# Altium PCB pay-ssm-v4-2.PcbDoc (part 3 of 4) (continued)
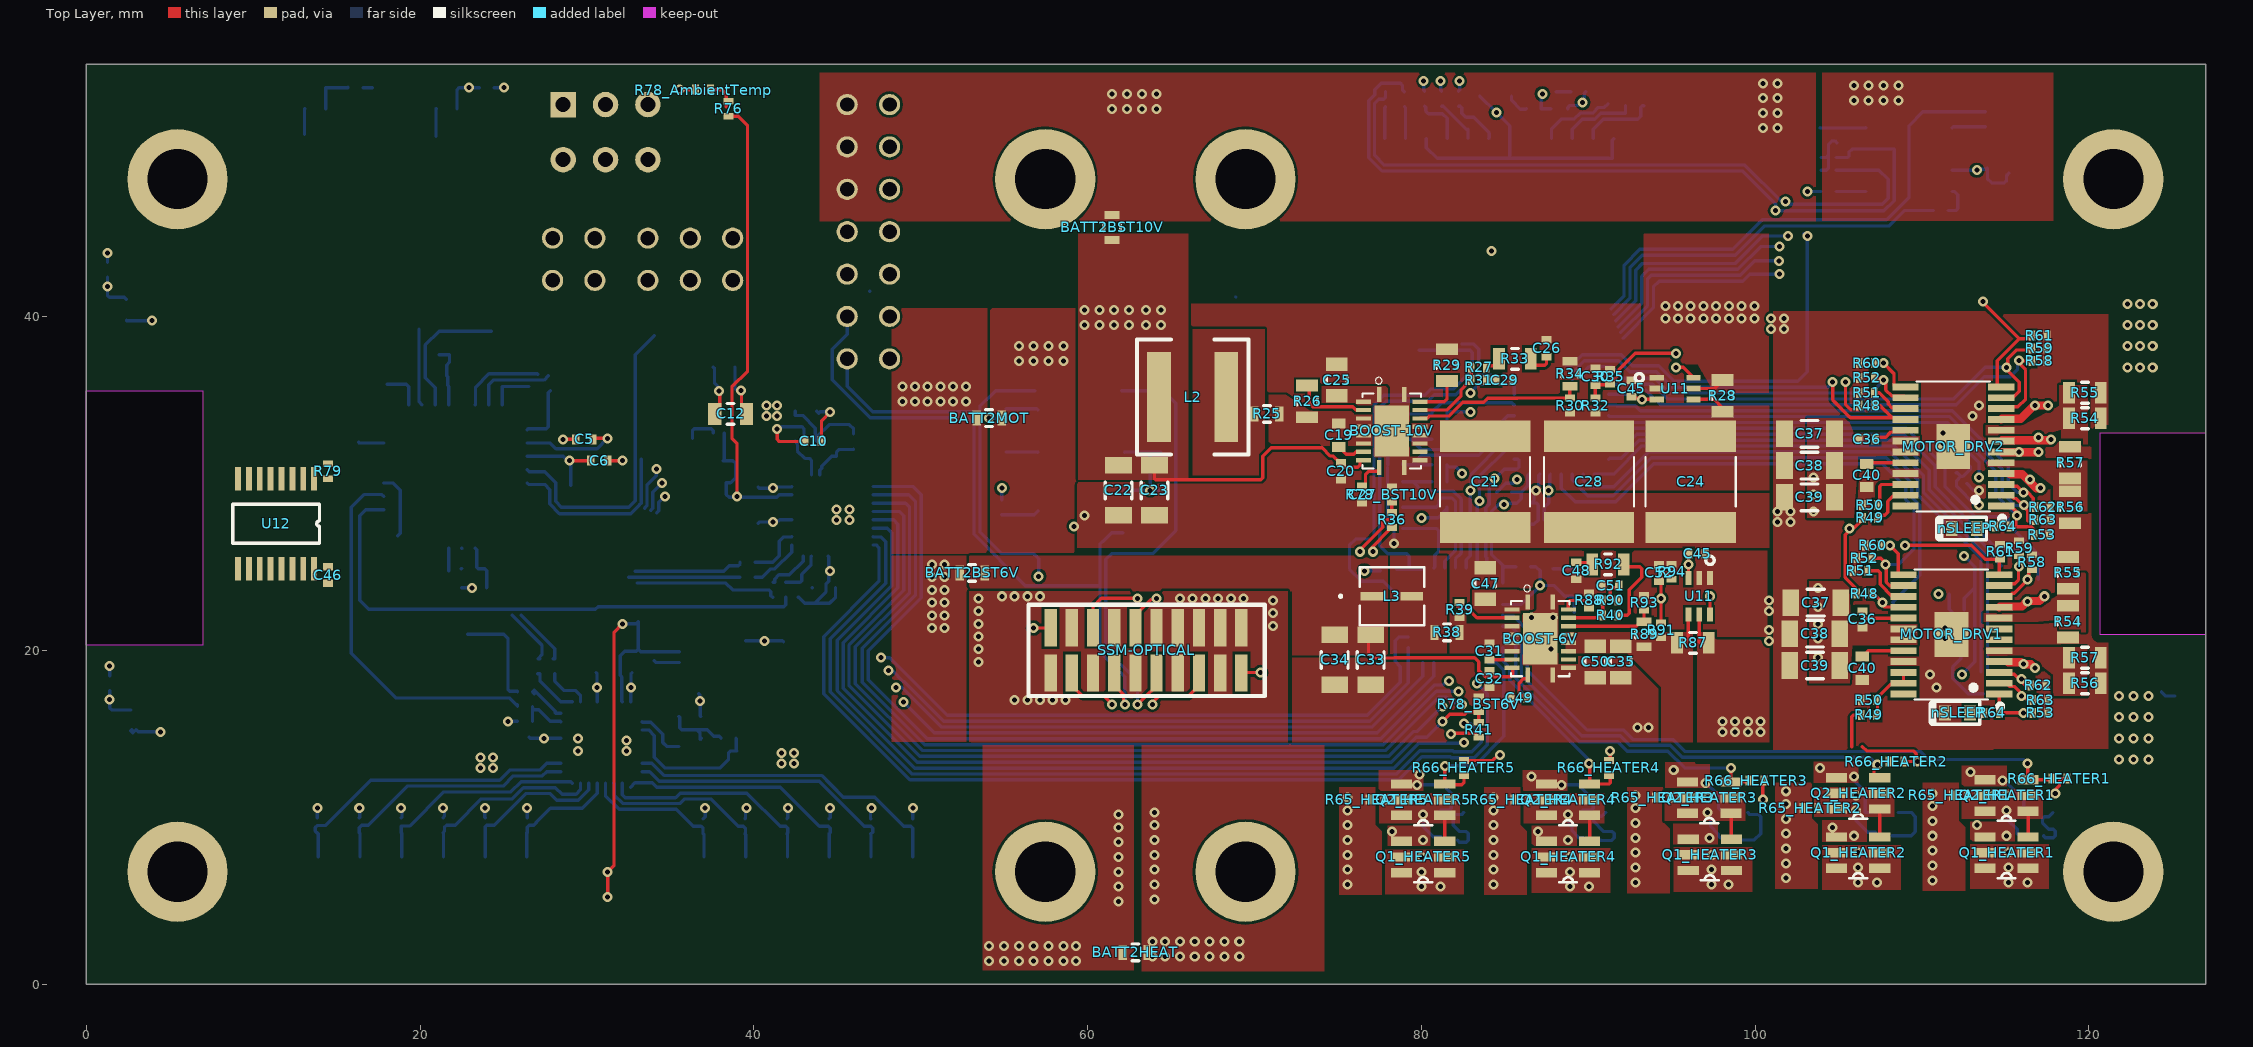
[diagram p0: Top Layer view]
## Nets (pads, with @x,y where several pads share a name; then routed paths per layer and width w, separated by ;. In a path a pad name is that pad's centre, name@x,y a point inside that pad or via, vN(x,y) a via of type N, cw(c..) or ccw(c..) an arc to the next point about the centre after c; other vN are vias at no path point) (continued)
  VCC w0.2: 81.153,52.07 v1(81.153,54.102)
  Bottom Layer w0.2: MCU.12@26.416,30.823 26.539,30.7 27.466,30.7 28.123,30.043 28.123,28.923 28.471,28.575 32.512,28.575 32.893,28.956 32.893,37.719 34.036,38.862 ; 68.883,41.172 68.887,41.177 ; v1(81.153,54.102) 81.153,53.562 R5.2@81.209,53.507
SCK_A/RX_R: EPS-PAY.5 R5.1 | length 2.8
  Bottom Layer w0.2: R5.1@81.209,52.607 81.309,52.607 82.745,51.171 82.797,51.223 EPS-PAY.5@82.797,50.673
SCLK_R_ADC1: ADC1.24 R23.2@41.148,24.072 | length 2.7
  Bottom Layer w0.2: R23.2@41.148,24.072 41.248,24.072 41.248,24.267 41.505,24.524 42.136,24.524 42.954,25.342 ADC1.24@42.954,25.632
SCLK_R_ADC2: ADC2.24 R23.2@26.739,17.526 | length 2.6
  Bottom Layer w0.2: R23.2@26.739,17.526 26.739,17.499 26.839,17.399 26.839,17.611 28.106,16.344 28.106,16.258 28.136,16.228 ADC2.24@28.426,16.228
SS: BOOST-10V.10 C27.2 | length 2
  Top Layer w0.2: C27.2@76.454,29.837 76.529,29.837 76.654,29.962 76.654,30.553 76.835,30.734 77.452,30.734 77.482,30.764 BOOST-10V.10@77.482,30.962
SS2: BOOST-6V.10 C49.2 | length 2.1
  Top Layer w0.2: C49.2@86.352,17.145 86.352,17.147 86.227,17.272 85.969,17.272 85.852,17.389 85.852,18.034 86.106,18.288 86.342,18.288 86.372,18.318 BOOST-6V.10@86.372,18.516
TRIM/NR_ADC1: C13.2@36.322,32.701 U4.5@37.577,33.02 | length 1.9
  Bottom Layer w0.2: C13.2@36.322,32.701 36.322,33.157 36.439,33.274 37.452,33.274 37.577,33.149 U4.5@37.577,33.02
TRIM/NR_ADC2: C13.2@34.036,19.369 U4.5@35.547,19.274 | length 1.6
  Bottom Layer w0.2: C13.2@34.036,19.369 34.131,19.274 U4.5@35.547,19.274
TXCAN: MCU.6 R14.2 | length 36
  Bottom Layer w0.2: MCU.6@23.316,34.723 23.327,34.734 23.327,35.773 24.13,36.576 27.022,36.576 27.051,36.547 ; 91.37,40.472 92.145,41.247 92.145,43.082 93.088,44.025 98.654,44.025 100.421,45.792 107.875,45.792 109.22,47.136 109.22,51.435 110.051,52.266 R14.2@113.792,52.266
TXD_R: CAN.1 R14.1 | length 2
  Bottom Layer w0.2: CAN.1@111.82,51.308 111.878,51.366 R14.1@113.792,51.366
VCC2V5_ADC1: ADC1.31 C14.2@38.166,31.369 C18.2@38.354,30.033 R36.2 R41.2 R42.2 R43.2 R76.2 U4.6@38.227,33.02 | length 152.4
  Top Layer w0.2: R76.2@38.481,52.001 39.058,52.001 39.622,51.437 39.622,36.721 38.691,35.789 38.691,32.703 38.989,32.404 v1(38.989,29.21) ; v1@76.933,26.064 R36.2@78.232,27.363 ; v1(81.788,14.986) 81.832,15.03 83.199,15.03 R41.2@83.439,14.79
  VCC w0.2: v1(38.989,29.21) 39.033,29.166 42.081,29.166 43.986,27.261 45.949,27.261 46.374,27.686 49.784,27.686 52.451,25.019 53.798,25.019 54.092,24.724 54.092,17.135 55.016,16.212 80.401,16.212 80.518,16.094 80.518,15.729 81.188,15.059 81.715,15.059 v1(81.788,14.986) 81.832,15.03 81.832,16.51 ; v1(77.089,25.908) 77.089,25.654 81.109,21.634 81.109,17.59 81.832,16.866 81.832,16.51 ; v1(112.395,18.542) 112.395,18.288 111.125,17.018 84.855,17.018 83.811,15.973 82.979,15.973 82.779,16.173 82.169,16.173 81.832,16.51 ; v1(112.522,25.654) 112.522,29.718 113.157,30.353 v1(113.411,30.353)
  Bottom Layer w0.2: U4.6@38.227,33.02 38.227,31.43 C14.2@38.166,31.369 38.739,31.369 38.904,31.204 38.904,30.333 38.604,30.033 C18.2@38.354,30.033 38.354,29.337 38.525,29.166 41.377,29.166 41.528,29.317 ADC1.31@42.269,29.317 ; R43.2@111.95,31.941 112.077,31.941 112.242,31.776 112.417,31.776 112.552,31.911 112.761,31.911 113.411,31.261 v1(113.411,30.353) ; v1(112.395,18.542) 113.157,19.304 113.157,23.749 ; R42.2@112.522,22.421 112.522,23.114 113.157,23.749 ; v1(112.522,25.654) 113.157,25.019 113.157,23.749
VCC2V5_ADC2: ADC2.31 C14.2@33.081,21.717 C18.2@33.081,20.066 THERMISTOR1-6.1 THERMISTOR1-6.3 THERMISTOR1-6.5 THERMISTOR1-6.7 THERMISTOR1-6.9 THERMISTOR1-6.11 THERMISTORS7-12.1 THERMISTORS7-12.3 THERMISTORS7-12.5 THERMISTORS7-12.7 THERMISTORS7-12.9 THERMISTORS7-12.11 U4.6@35.547,19.924 | length 26
  Top Layer w0.2: v1(31.242,5.207) v1(31.242,6.731) 31.623,7.112 31.623,21.082 v1(32.131,21.59)
  Bottom Layer w0.2: ADC2.31@32.111,16.913 32.087,16.937 32.087,18.404 31.993,18.498 31.993,19.674 32.258,19.939 32.954,19.939 C18.2@33.081,20.066 ; v1(32.131,21.59) 32.954,21.59 C14.2@33.081,21.717 C18.2@33.081,20.066 ; U4.6@35.547,19.924 33.223,19.924 C18.2@33.081,20.066
VCC3V3: ADC1.21 ADC1.28 ADC1.32 ADC2.21 ADC2.28 ADC2.32 BOT_SWT1.1 BOT_SWT2.1 C1.2 C2.2 C7.2 C8.2 C10.2 C12.2 C15.2 C16.2 C17.2 C41.2 C41_Port_Expander1.2 C41_Port_Expander2.2 C42.1 C43.2 C45.2 C46.2 C53.2 C54.2 CAN.3 HUMIDITY.8 J14.2 L1.1 L4.2 MCU.4 PEX1.5 PEX2.5 PRESSURE.5 PROG.2 R11.2 R24.2 R48.2 R49.2 R66_HEATER1.2 R66_HEATER2.2 R66_HEATER3.2 R66_HEATER4.2 R66_HEATER5.2 R67.2 R68.2 R69.2 R70.2 R71.2 R75.2 R77.2 SSM-OPTICAL.1 SSM-OPTICAL.20 TOP_SWT1.1 TOP_SWT2.1 U3.5 U4.2 U11.3 U12.16 | length 100.9
  Top Layer w0.2: v1(39.243,35.56) 39.258,35.545 39.258,34.463 C12.2@39.558,34.163 ; C10.2@44.056,32.543 44.056,33.769 v1(44.577,34.29) ; v1(56.769,21.336) 57.762,21.336 SSM-OPTICAL.1@57.785,21.359 ; SSM-OPTICAL.20@69.215,18.641 69.243,18.669 v1(70.358,18.669) ; R66_HEATER5.2@82.55,13.404 84.289,13.404 84.601,13.716 v1(84.709,13.716) ; R66_HEATER4.2@91.232,13.404 91.313,13.485 v1(91.313,13.97) ; C45.2@92.583,35.187 92.651,35.12 93.15,35.12 v1(93.226,35.044) 94.099,35.044 U11.3@94.107,35.037 ; U11.3@95.997,24.341 96.004,24.349 96.004,25.138 v1(96.012,25.146) 96.016,25.15 96.016,25.777 C45.2@96.02,25.781 ; v1(100.457,11.049) 100.457,12.123 R66_HEATER3.2@100.526,12.192 ; v1(105.41,36.068) 105.41,34.737 105.73,34.417 R48.2@106.23,34.417 ; 105.791,14.224 105.791,16.012 105.908,16.129 R49.2@106.357,16.129 ; R48.2@106.094,23.405 105.994,23.505 105.994,23.763 105.397,24.36 105.397,26.929 105.664,27.197 v1(105.664,27.305) 105.741,27.382 105.972,27.382 106.449,27.859 106.461,27.859 R49.2@106.542,27.94 ; 106.426,14.224 106.68,13.97 109.474,13.97 109.651,13.793 109.651,13.412 v1(109.728,13.335) R66_HEATER2.2@108.908,13.335 ; v1(117.983,11.43) 117.983,11.658 118.239,11.914 118.239,12.194 118.364,12.319 R66_HEATER1.2@118.687,12.319
  Bottom Layer w0.2: BOT_SWT2.1@2.413,39.771 2.433,39.751 v1(3.937,39.751) ; TOP_SWT2.1@2.669,15.177 2.794,15.052 2.982,15.24 3.109,15.113 v1(4.445,15.113) ; TOP_SWT2.1@2.732,15.24 TOP_SWT2.1@2.794,15.178 ; 13.081,50.927 13.081,52.431 BOT_SWT1.1@13.101,52.451 ; 20.955,50.8 20.955,52.441 TOP_SWT1.1@20.965,52.451 ; C1.2@21.148,37.719 21.761,37.719 21.761,37.255 21.598,37.092 C2.2@21.598,36.449 21.658,36.39 21.658,35.873 21.717,35.814 MCU.4@21.717,34.723 ; L1.1@22.483,23.749 v1(23.106,23.749) ; v1(25.273,15.748) R24.2@25.839,15.748 ; C16.2@26.543,14.797 26.608,14.732 v1(27.432,14.732) 27.434,14.73 28.424,14.73 ADC2.21@28.426,14.728 ; C17.2@30.545,18.669 30.607,18.607 v1(30.607,17.78) 30.609,17.778 30.609,16.915 ADC2.28@30.611,16.913 ; ADC2.32@32.611,16.913 32.625,16.927 32.625,17.766 v1(32.639,17.78) 32.639,18.604 C15.2@32.704,18.669 ; C10.2@36.695,17.399 36.762,17.331 v1(36.762,16.957) 36.787,16.932 36.787,16.063 U3.5@36.812,16.039 ; U4.2@38.877,36.97 38.87,36.962 38.87,35.677 38.91,35.637 39.166,35.637 v1(39.243,35.56) ; U4.2@39.497,20.574 v1(40.64,20.574) 41.717,20.574 C12.2@41.783,20.508 ; C17.2@40.259,27.624 40.321,27.686 v1(41.148,27.686) 41.225,27.763 41.495,27.763 41.549,27.817 ADC1.28@42.269,27.817 ; C15.2@40.259,29.783 40.324,29.718 v1(41.148,29.718) 41.217,29.787 42.239,29.787 ADC1.32@42.269,29.817 ; R24.2@42.672,23.172 42.699,23.172 43.053,22.818 43.646,22.818 ; U3.5@43.78,34.321 43.894,34.207 43.976,34.29 v1(44.577,34.29) ; ADC1.21@44.454,25.632 44.484,25.602 44.484,24.966 44.577,24.873 v1(44.577,24.765) 44.5,24.688 44.5,24.453 44.496,24.449 44.496,24.13 44.323,23.957 44.323,23.495 43.646,22.818 ; C16.2@44.896,23.749 44.896,23.179 44.535,22.818 43.646,22.818 ; v1(54.102,33.909) 55.118,33.909 R77.2@55.118,33.586 ; R75.2@54.864,29.025 v1(54.864,29.718) ; PRESSURE.5@62.119,29.601 62.129,29.591 v1(63.754,29.591) ; HUMIDITY.8@62.223,31.877 62.231,31.885 63.754,31.885 ; C43.2@64.389,31.885 63.754,31.885 ; C42.1@64.516,29.583 64.512,29.587 63.758,29.587 v1(63.754,29.591) ; v1(76.581,24.765) R68.2@77.528,24.765 ; v1@80.015,27.945 v1(80.01,27.94) 80.999,27.94 R70.2@81.534,28.475 ; R71.2@81.534,30.099 R71.2@81.534,31.003 ; R71.2@81.534,31.13 81.534,31.088 81.634,30.988 82.052,30.988 82.423,30.617 v1(82.423,30.607) v1@82.367,30.551 ; R70.2@81.534,32.631 R69.2@81.534,34.163 81.534,34.29 v1(82.931,34.29) ; R70.2@81.539,28.58 R70.2@81.534,28.575 R70.2@81.534,28.475 ; R69.2@81.545,27.305 81.534,27.316 R70.2@81.534,28.475 ; v1(82.951,35.413) 82.951,35.463 83.429,35.941 R68.2@83.751,35.941 ; R67.2@84.513,29.464 85.065,30.016 85.515,30.016 v1(85.725,30.226) ; PEX2.5@84.877,22.748 85.994,22.748 v1(87.122,23.876) ; R67.2@86.556,25.019 86.868,25.019 87.122,24.765 v1(87.122,23.876) ; v1(87.249,53.34) 87.201,53.34 87.191,53.35 L4.2@87.191,52.451 C53.2@87.765,52.451 ; PEX1.5@87.742,30.566 87.686,30.51 87.686,29.647 v1(87.63,29.591) 87.626,29.587 87.626,28.833 C41.2@87.622,28.829 87.369,28.576 87.369,27.81 87.62,27.559 C41_Port_Expander1.2@88.072,27.559 ; C41_Port_Expander2.2@89.154,22.291 89.154,23.124 89.037,23.241 88.602,23.241 87.959,23.884 C41.2@87.884,23.884 87.13,23.884 v1(87.122,23.876) ; CAN.3@111.82,48.768 v1(113.284,48.768) 113.352,48.836 113.851,48.836 C8.2@113.919,48.903 113.919,48.26 114.173,48.006 114.935,48.006 115.062,48.133 115.062,48.453 C7.2@115.189,48.58 ; v1(63.754,29.591) 63.754,31.885
VCC3V3_IN: C55.2 EPS-PAY.8 L4.1 | length 1.4
  Bottom Layer w0.2: C55.2@85.405,53.213 85.405,52.963 85.939,52.429 86.269,52.429 L4.1@86.291,52.451
VCC_BOOST: BOOST-10V.1 BOOST-10V.2 C25.2
VCC_BOOST2: BOOST-6V.1 BOOST-6V.2 C47.2
VCC_HEATER: BATT2HEAT.2 HEATER1.1 HEATER2.1 HEATER3.1 HEATER4.1 HEATER5.1 R65_HEATER1.2 R65_HEATER2.2 R65_HEATER3.2 R65_HEATER4.2 R65_HEATER5.2 R87.2 U11.5@96.647,22.141 | length 2.4
  Top Layer w0.2: U11.5@96.647,22.141 96.647,20.512 96.966,20.193 97.216,20.443 R87.2@97.216,20.447
  other v1: 63.881,1.651 64.643,1.651 65.532,1.651 66.421,1.651 67.31,1.651 68.199,1.651 69.088,1.651 63.881,2.54 64.643,2.54 65.532,2.54 66.421,2.54 67.31,2.54 68.199,2.54 69.088,2.54 64.008,5.08 64.008,5.969 75.565,5.969 84.328,5.969 92.837,6.096 110.617,6.223 101.854,6.35 64.008,6.858 75.565,6.858 84.328,6.858 92.837,6.985 110.617,7.112 101.854,7.239 64.008,7.747 75.565,7.747 84.328,7.747 92.837,7.874 110.617,8.001 101.854,8.128 64.008,8.636 75.565,8.636 84.328,8.636 92.837,8.763 110.617,8.89 101.854,9.017 64.008,9.525 75.565,9.525 84.328,9.525 92.837,9.652 110.617,9.779 101.854,9.906 64.008,10.287 75.565,10.414 84.328,10.414 92.837,10.541 110.617,10.668 101.854,10.795 75.565,11.176 84.328,11.176 92.837,11.303 110.617,11.43 101.854,11.557 98.044,15.113 98.806,15.113 99.568,15.113 100.33,15.113 98.044,15.748 98.806,15.748 99.568,15.748 100.33,15.748
VCC_MOTOR: BATT2MOT.2 C36.2 C37.2 C38.2 C39.2 MOTOR_DRV1.18 MOTOR_DRV1.19 MOTOR_DRV2.18 MOTOR_DRV2.19 R28.2 U11.5@96.307,35.687 | length 1.9
  Top Layer w0.2: U11.5@96.307,35.687 97.536,35.687 R28.2@98.044,36.195
  other v1: 103.759,19.558 103.759,20.701 103.759,21.59 103.759,22.606 103.759,23.749 103.505,28.321 103.505,29.337 103.505,30.353 55.88,37.338 56.769,37.338 57.658,37.338 58.547,37.338 55.88,38.227 56.769,38.227 57.658,38.227 58.547,38.227 94.615,39.878 95.377,39.878 96.139,39.878 96.901,39.878 97.663,39.878 98.425,39.878 99.187,39.878 99.949,39.878 94.615,40.64 95.377,40.64 96.139,40.64 96.901,40.64 97.663,40.64 98.425,40.64 99.187,40.64 99.949,40.64
VCORE_HM: C44.1 HUMIDITY.1 | length 1.9
  Bottom Layer w0.2: C44.1@55.118,31.885 57.015,31.885 HUMIDITY.1@57.023,31.877
VCP_MOTOR_DRV1: C36.1@106.426,22.352 MOTOR_DRV1.17 | length 2.4
  Top Layer w0.2: C36.1@106.426,22.352 106.426,22.088 106.584,21.93 108.475,21.93 MOTOR_DRV1.17@108.508,21.897
VCP_MOTOR_DRV2: C36.1@107.195,32.639 MOTOR_DRV2.17 | length 1.9
  Top Layer w0.2: C36.1@107.307,32.639 107.307,32.641 107.432,32.766 107.823,32.766 108.141,33.084 108.901,33.084 MOTOR_DRV2.17@109.006,33.189
VIN_BOOST: BATT2BST10V.1 BOOST-10V.9 C20.2 C22.2 C23.2 L2.1 | length 15.8
  Top Layer w0.2: C23.2@64.008,31.091 64.008,30.291 64.073,30.226 70.381,30.226 70.499,30.343 70.499,31.637 70.993,32.131 74.062,32.131 74.552,31.641 74.731,31.641 75.138,31.234 C20.2@75.184,31.234 75.259,31.234 75.384,31.109 75.384,31.034 75.438,30.98 76.192,30.98 76.327,31.115 76.327,31.367 76.357,31.397 BOOST-10V.9@76.547,31.397
  other v1: 59.817,39.497 60.706,39.497 61.595,39.497 62.484,39.497 63.5,39.497 64.389,39.497 59.817,40.386 60.706,40.386 61.595,40.386 62.484,40.386 63.5,40.386 64.389,40.386
VIN_BOOST2: BATT2BST6V.1 BOOST-6V.9 C32.2 C33.2 C34.2 L3.1 | length 11.6
  Top Layer w0.2: C33.2@76.962,20.931 76.835,20.804 76.835,19.784 77.075,19.544 78.373,19.544 78.359,19.558 83.185,19.558 83.439,19.304 83.439,18.748 83.474,18.713 83.541,18.713 83.839,18.415 84.074,18.415 ; C32.2@84.074,18.788 84.074,18.415 ; BOOST-6V.9@85.437,18.951 85.441,18.951 85.471,18.921 85.471,18.532 85.354,18.415 84.074,18.415
VINT_MOTOR_DRV1: C40.1@106.426,19.623 MOTOR_DRV1.20 | length 2.6
  Top Layer w0.2: C40.1@106.426,19.623 106.783,19.98 MOTOR_DRV1.20@108.89,19.98
VINT_MOTOR_DRV2: C40.1@106.695,31.18 MOTOR_DRV2.20 | length 2.2
  Top Layer w0.2: C40.1@106.807,31.18 106.907,31.18 106.966,31.239 MOTOR_DRV2.20@109.006,31.239
XTAL1: C5.2 MCU.10 Y1.1 | length 6.1
  Top Layer w0.2: C5.2@30.337,32.639 30.4,32.703 v1(31.223,32.703)
  Bottom Layer w0.2: MCU.10@26.416,32.423 27.806,32.423 28.143,32.087 30.607,32.087 v1(31.223,32.703)
XTAL2: C6.2 MCU.11 Y1.3 | length 5.4
  Top Layer w0.2: v1(28.956,31.369) C6.2@30.234,31.369
  Bottom Layer w0.2: MCU.11@26.416,31.623 28.594,31.623 28.848,31.369 v1(28.956,31.369) 29.026,31.299 Y1.3@29.026,29.877
xVREF_MOTOR_DRV1: MOTOR_DRV1.22 MOTOR_DRV1.23 R49.1@107.257,16.129 R50.2@107.257,17.018 | length 3.4
  Top Layer w0.2: R49.1@107.257,16.129 107.328,16.2 R50.2@107.328,17.013 ; R50.2@107.399,17.236 108.193,18.03 MOTOR_DRV1.23@108.89,18.03 MOTOR_DRV1.22@108.89,18.68
xVREF_MOTOR_DRV2: MOTOR_DRV2.22 MOTOR_DRV2.23 R49.1@107.33,27.94 R50.2@107.33,28.702 | length 5.3
  Top Layer w0.2: R49.1@107.442,27.94 107.442,28.002 107.542,28.102 107.766,28.102 107.942,28.278 107.942,28.922 108.309,29.289 MOTOR_DRV2.23@109.006,29.289 ; R50.2@107.442,28.702 107.459,28.719 107.459,29.822 107.577,29.939 MOTOR_DRV2.22@109.006,29.939
pads on no net: BOOST-6V.13 BOOST-10V.13 BOT_SWT1. BOT_SWT2. EPS-PAY. HEATER1. HEATER2. HEATER3. HEATER4. HEATER5. HUMIDITY.6 HUMIDITY.7 MOTOR1. MOTOR2. MOTOR_DRV1.24 MOTOR_DRV2.24 PRESSURE.4 THERMISTOR1-6. THERMISTORS7-12. TOP_SWT1. TOP_SWT2. U4.1 U4.3 U4.7 U4.8

## Polygon pours and split planes (outlines as drawn)
GND on Top Layer "EPS-PAY-Top-GND" (solid, pour order 520): 104.013,54.626 104.013,45.736 117.856,45.736 117.856,54.626
BOOST2_OUT on Top Layer "Top Layer-BOOST2_OUT" (solid, pour order 410): 88.646,21.082 88.646,19.812 92.329,19.812 94.361,17.78 94.361,14.478 96.266,14.478 96.266,21.082
GND on Top Layer "GND_L01_P500" (solid, pour order 500): 101.092,40.323 101.092,14.034 114.278,14.034 114.278,40.323
VCC_MOTOR on Top Layer "Top Layer-VCC_MOTOR" (solid, pour order 398): 109.855,31.623 109.855,33.02 105.918,33.02 105.537,33.909 103.124,33.909 103.124,27.94 105.918,27.94 106.172,31.623
GND on Top Layer "GND_L01_P496" (solid, pour order 496): 113.538,40.132 113.538,14.097 121.158,14.097 121.158,40.132
VCC_HEATER on Top Layer "VCC_HEATER_L01_P468" (solid, pour order 468): 63.246,14.732 74.168,14.732 74.168,0.762 63.246,0.762
+BATT on Top Layer "+BATT_L01_P467" (solid, pour order 467): 53.721,14.605 62.762,14.605 62.762,0.82 53.721,0.82
+BATT on Top Layer "+BATT_L01_P459" (solid, pour order 459): 43.942,54.626 43.942,45.72 103.632,45.72 103.632,54.626
VCC_HEATER on Top Layer "BST-HEATER-out" (solid, pour order 498): 96.52,14.478 100.838,14.478 100.838,21.082 98.974,21.082 96.52,21.082
AISEN_MOTOR_DRV2 on Top Layer "AISEN_MOTOR_DRV2_L01_P486" (solid, pour order 486): 113.919,30.988 116.505,30.896 117.856,29.845 117.856,28.321 119.888,28.321 119.888,31.369 113.824,31.369
BISEN_MOTOR_DRV2 on Top Layer "BISEN_MOTOR_DRV2_L01_P484" (solid, pour order 484): 113.809,33.482 113.809,32.832 116.925,32.832 118.339,33.23 118.339,32.356 119.934,32.356 119.934,35.84 119.877,35.897 118.226,35.897 118.226,34.657 116.046,33.482
AISEN_MOTOR_DRV1 on Top Layer "AISEN_MOTOR_DRV1_L01_P482" (solid, pour order 482): 113.919,19.685 116.505,19.593 117.856,18.542 117.856,17.272 119.888,17.272 119.888,20.193 113.792,20.193
BISEN_MOTOR_DRV1 on Top Layer "BISEN_MOTOR_DRV1_L01_P480" (solid, pour order 480): 113.693,22.223 113.693,21.722 116.958,21.722 118.223,21.844 118.223,21.223 118.349,21.097 119.818,21.097 119.818,24.581 119.761,24.638 118.11,24.638 118.11,23.281 116.147,22.223
BOOST_OUT on Top Layer "Top Layer-BOOST_OUT" (solid, pour order 416): 79.375,32.258 80.391,32.258 80.772,31.877 80.772,29.591 99.822,29.591 100.838,29.591 100.838,34.671 79.375,34.671
GND on Top Layer "BST1-GND" (solid, pour order 418): 59.372,40.767 59.372,26.162 100.838,26.162 100.838,40.767
VCC_MOTOR on Top Layer "VCC_MOTOR_L01_P466" (solid, pour order 466): 54.102,40.513 59.309,40.513 59.309,25.781 54.102,25.781
+BATT on Top Layer "+BATT_L01_P465" (solid, pour order 465): 48.26,40.513 53.999,40.513 53.999,25.781 48.26,25.781
+BATT on Top Layer "+BATT_L01_P464" (solid, pour order 464): 48.26,25.654 52.856,25.654 52.856,14.536 48.26,14.536
VIN_BOOST2 on Top Layer "VIN_BOOST2_L01_P462" (solid, pour order 462): 72.962,25.678 53.062,25.678 52.959,25.678 52.908,25.73 52.908,23.553 72.962,23.553
GND on Top Layer "GND_L01_P461" (solid, pour order 461): 52.908,23.553 52.908,14.478 71.983,14.478 71.983,23.553
GND on Top Layer "GND_L01_P458" (solid, pour order 458): 77.439,12.827 77.439,11.557 80.106,11.557 80.106,12.827
HEATER_EN_PU_HEATER5 on Top Layer "heat1-ENPU" (solid, pour order 424): 77.47,11.43 77.47,9.652 82.296,9.652 82.296,11.43
NetJ11_HEATER5_2 on Top Layer "NETJ11_HEATER5_2_L01_P428" (solid, pour order 428): 77.851,8.064 77.851,5.397 82.55,5.397 82.55,8.064
VCC_HEATER on Top Layer "VCC_HEATER_L01_P434" (solid, pour order 434): 75.084,11.811 77.243,11.811 77.243,9.539 77.624,9.158 77.624,5.348 75.084,5.348
GND on Top Layer "GND_L01_P439" (solid, pour order 439): 77.978,9.534 77.978,8.264 80.518,8.264 80.518,9.534
GND on Top Layer "GND_L01_P443" (solid, pour order 443): 77.439,12.827 77.439,11.557 80.106,11.557 80.106,12.827
HEATER_EN_PU_HEATER4 on Top Layer "HEATER_EN_PU_HEATER4_L01_P423" (solid, pour order 423): 86.121,11.43 86.121,9.652 90.947,9.652 90.947,11.43
NetJ11_HEATER4_2 on Top Layer "NETJ11_HEATER4_2_L01_P427" (solid, pour order 427): 86.629,8.128 86.629,5.461 91.328,5.461 91.328,8.128
VCC_HEATER on Top Layer "VCC_HEATER_L01_P433" (solid, pour order 433): 83.766,11.811 85.925,11.811 85.925,9.539 86.306,9.158 86.306,5.348 83.766,5.348
GND on Top Layer "GND_L01_P438" (solid, pour order 438): 86.629,9.525 86.629,8.255 89.296,8.255 89.296,9.525
GND on Top Layer "GND_L01_P442" (solid, pour order 442): 86.089,12.827 86.088,11.557 88.755,11.557 88.755,12.827
NetJ11_HEATER3_2 on Top Layer "NETJ11_HEATER3_2_L01_P455" (solid, pour order 455): 95.123,8.191 95.123,5.524 99.822,5.524 99.822,8.191
VCC_HEATER on Top Layer "VCC_HEATER_L01_P454" (solid, pour order 454): 92.329,11.805 94.488,11.805 94.488,9.69 94.869,9.309 94.869,5.455 92.329,5.455
HEATER_EN_PU_HEATER2 on Top Layer "HEATER_EN_PU_HEATER2_L01_P451" (solid, pour order 451): 103.505,11.811 103.505,10.033 108.331,10.033 108.331,11.811
NetJ11_HEATER2_2 on Top Layer "NETJ11_HEATER2_2_L01_P450" (solid, pour order 450): 104.013,8.319 104.013,5.651 108.712,5.651 108.712,8.319
VCC_HEATER on Top Layer "VCC_HEATER_L01_P449" (solid, pour order 449): 101.219,12.065 103.378,12.065 103.378,9.95 103.759,9.569 103.759,5.715 101.219,5.715
GND on Top Layer "GND_L01_P448" (solid, pour order 448): 104.013,9.804 104.013,8.534 106.68,8.534 106.68,9.804
GND on Top Layer "GND_L01_P447" (solid, pour order 447): 103.505,13.335 103.505,12.065 106.172,12.065 106.172,13.335
HEATER_EN_PU_HEATER3 on Top Layer "heat1-ENPU" (solid, pour order 422): 94.584,11.557 94.584,9.779 99.41,9.779 99.41,11.557
GND on Top Layer "GND_L01_P437" (solid, pour order 437): 95.092,9.652 95.092,8.382 97.759,8.382 97.759,9.652
GND on Top Layer "GND_L01_P441" (solid, pour order 441): 94.615,13.297 94.615,11.773 97.282,11.773 97.282,13.297
GND on Top Layer "GND_L01_P440" (solid, pour order 440): 112.395,13.081 112.395,11.811 115.062,11.811 115.062,13.081
GND on Top Layer "GND_L01_P436" (solid, pour order 436): 112.903,9.779 112.903,8.509 115.57,8.509 115.57,9.779
no net on Top Layer "Top Layer-No Net 1" (solid, pour order 435): 113.03,9.779
VCC_HEATER on Top Layer "VCC_HEATER_L01_P432" (solid, pour order 432): 110.04,12.065 112.199,12.065 112.199,9.793 112.58,9.412 112.58,5.602 110.04,5.602
NetJ11_HEATER1_2 on Top Layer "NETJ11_HEATER1_2_L01_P426" (solid, pour order 426): 112.903,8.382 112.903,5.715 117.602,5.715 117.602,8.382
no net on Top Layer "Top Layer-No Net 2" (solid, pour order 425): 111.506,8.128
HEATER_EN_PU_HEATER1 on Top Layer "heat1-ENPU" (solid, pour order 421): 112.395,11.684 112.395,9.906 117.221,9.906 117.221,11.684
VCC_MOTOR on Top Layer "VCC-motor-10V" (solid, pour order 417): 96.551,37.152 97.536,35.433 100.816,35.433 100.816,35.56 100.816,35.687 100.816,44.958 93.345,44.958 93.323,44.936 93.323,37.152
VIN_BOOST on Top Layer "BST1-in" (solid, pour order 415): 59.436,44.958 59.436,30.226 66.04,30.226 66.04,44.958
GND on Top Layer "GND-BST2" (solid, pour order 413): 81.068,25.977 81.068,20.81 100.711,20.81 100.711,25.977
GND on Top Layer "GND" (solid, pour order 412): 72.263,19.812 72.263,14.478 94.361,14.478 94.361,19.812
VCC_MOTOR on Top Layer "VCC-MOTOR1" (solid, pour order 401): 109.728,20.32 109.728,21.743 105.741,21.743 105.622,24.13 103.251,24.13 103.251,18.034 105.655,18.034 105.812,20.32
IND_BOOST2_SENSE on Top Layer "IND-BST2-SENSE" (solid, pour order 397): 81.699,22.225 82.677,22.225 82.677,21.59 85.979,21.59 85.979,19.812 81.699,19.812
VCC_BOOST2 on Top Layer "VCC-BST2" (solid, pour order 396): 83.058,22.225 86.741,22.225 86.741,23.622 83.058,23.622
IND_BOOST2 on Top Layer "IND-BST2" (solid, pour order 395): 81.534,19.685 81.534,25.654 78.105,25.654 78.105,19.685
VIN_BOOST2 on Top Layer "VIN-BST2" (solid, pour order 394): 72.263,25.678 72.263,19.709 77.978,19.709 77.978,25.678
VCC_BOOST on Top Layer "VCC-BST1" (solid, pour order 393): 74.041,34.671 77.978,34.671 77.978,35.814 74.041,35.814
no net on Top Layer "Top Layer-No Net" (solid, pour order 392): 85.217,53.34
IND_BOOST on Top Layer "IND-BST1" (solid, pour order 391): 70.612,30.226 70.612,39.243 66.294,39.243 66.294,30.226
IND_BOOST_SENSE on Top Layer "IND-BST1-SENSE" (solid, pour order 390): 70.866,35.306 71.882,35.306 73.328,34.342 77.089,34.342 77.089,32.258 76.962,32.258 70.866,32.258
AOUT1_MOTOR_DRV1 on Bottom Layer "AOUT1_MOTOR_DRV1_L06_P522" (solid, pour order 522): 120.65,17.716 126.111,17.716 126.111,16.828 125.857,16.828 120.65,16.828
BOUT2_MOTOR_DRV1 on Bottom Layer "BOUT2_MOTOR_DRV1_L06_P478" (solid, pour order 478): 120.65,13.97 126.111,13.97 126.111,13.081 125.857,13.081 120.65,13.081
BOUT1_MOTOR_DRV1 on Bottom Layer "BOUT1_MOTOR_DRV1_L06_P474" (solid, pour order 474): 120.65,15.24 126.111,15.24 126.111,14.351 125.857,14.351 120.65,14.351
AOUT2_MOTOR_DRV1 on Bottom Layer "AOUT2_MOTOR_DRV1_L06_P404" (solid, pour order 404): 120.65,16.51 126.111,16.51 126.111,15.621 125.857,15.621 120.65,15.621
BOUT2_MOTOR_DRV2 on Bottom Layer "BOUT2_MOTOR_DRV2_L06_P494" (solid, pour order 494): 121.666,37.465 126.238,37.465 126.238,36.576 125.984,36.576 121.666,36.576
BOUT1_MOTOR_DRV2 on Bottom Layer "BOUT1_MOTOR_DRV2_L06_P492" (solid, pour order 492): 121.666,38.735 126.238,38.735 126.238,37.846 125.984,37.846 121.666,37.846
AOUT2_MOTOR_DRV2 on Bottom Layer "AOUT2_MOTOR_DRV2_L06_P490" (solid, pour order 490): 121.666,40.005 126.238,40.005 126.238,39.116 125.984,39.116 121.666,39.116
AOUT1_MOTOR_DRV2 on Bottom Layer "AOUT1_MOTOR_DRV2_L06_P488" (solid, pour order 488): 121.666,41.275 126.238,41.275 126.238,40.386 125.984,40.386 121.666,40.386
GND on Bottom Layer "Bottom Layer-GND" (solid, pour order 514): 102.235,54.61 102.235,45.72 117.796,45.72 117.796,54.61
GND on Bottom Layer "GND_L06_P518" (solid, pour order 518): 54.356,35.941 54.356,25.527 65.278,25.527 65.278,35.941
GND on Bottom Layer "GND_L06_P516" (solid, pour order 516): 28.067,35.179 28.062,35.174 28.062,28.485 32.475,28.485 32.512,28.448 32.512,35.179
GND on Bottom Layer "ADC1-GND" (solid, pour order 512): 35.422,37.846 47.614,37.846 47.614,22.481 35.422,22.481
GND on Bottom Layer "Bottom Layer-GND" (solid, pour order 510): 75.819,36.957 75.819,17.272 92.583,17.272 92.583,36.957
GND on Bottom Layer "ADC2-GND" (solid, pour order 508): 43.18,22.098 43.18,11.636 23.241,11.636 23.241,22.098
VCC2V5_ADC2 on Bottom Layer "VCC2V5_ADC2_L06_P506" (solid, pour order 506): 50.8,8.636 50.8,4.191 27.178,4.191 27.178,8.636
VCC2V5_ADC2 on Bottom Layer "VCC2V5_ADC2_L06_P504" (solid, pour order 504): 32.639,8.636 32.639,4.191 11.811,4.191 11.811,8.636
+BATT on Bottom Layer "+batt-bottom-pour" (solid, pour order 420): 43.873,54.644 43.873,45.627 102.108,45.627 102.108,54.644
NetJ11_HEATER5_2 on Bottom Layer "NETJ11_HEATER5_2_L06_P431" (solid, pour order 431): 77.851,8.128 77.851,5.461 82.55,5.461 82.55,8.128
VCC_HEATER on Bottom Layer "VCC_HEATER_L06_P446" (solid, pour order 446): 75.057,11.844 75.057,5.494 77.597,5.494 77.597,9.558 77.216,9.939 77.216,11.844
NetJ11_HEATER4_2 on Bottom Layer "NETJ11_HEATER4_2_L06_P430" (solid, pour order 430): 86.614,8.128 86.614,5.461 91.313,5.461 91.313,8.128
VCC_HEATER on Bottom Layer "VCC_HEATER_L06_P445" (solid, pour order 445): 83.847,11.777 83.847,5.427 86.387,5.427 86.387,9.491 86.006,9.872 86.006,11.777
VCC_HEATER on Bottom Layer "VCC_HEATER_L06_P457" (solid, pour order 457): 92.329,11.811 92.329,5.461 94.869,5.461 94.869,9.525 94.488,9.906 94.488,11.811
NetJ11_HEATER3_2 on Bottom Layer "NETJ11_HEATER3_2_L06_P456" (solid, pour order 456): 95.25,8.128 95.25,5.461 99.949,5.461 99.949,8.128
VCC_HEATER on Bottom Layer "VCC_HEATER_L06_P453" (solid, pour order 453): 101.219,12.065 101.219,5.715 103.759,5.715 103.759,9.779 103.378,10.16 103.378,12.065
NetJ11_HEATER2_2 on Bottom Layer "NETJ11_HEATER2_2_L06_P452" (solid, pour order 452): 104.013,8.382 104.013,5.715 108.712,5.715 108.712,8.382
VCC_HEATER on Bottom Layer "VCC_HEATER_L06_P444" (solid, pour order 444): 110.109,12.065 110.109,5.715 112.649,5.715 112.649,9.779 112.268,10.16 112.268,12.065
NetJ11_HEATER1_2 on Bottom Layer "NETJ11_HEATER1_2_L06_P429" (solid, pour order 429): 112.903,8.382 112.903,5.715 117.602,5.715 117.602,8.382
BOUT2_MOTOR_DRV2 on VCC "BOUT2_MOTOR_DRV2_L03_P526" (solid, pour order 526): 121.412,37.592 121.412,36.195 125.095,36.195 125.095,37.592
VCC_MOTOR on VCC "VCC_MOTOR_L03_P419" (solid, pour order 419): 54.229,45.72 54.229,16.624 106.553,16.624 106.553,45.72
+BATT on VCC "+BATT_L03_P460" (solid, pour order 460): 43.942,54.991 105.029,54.991 105.029,-0.001 43.942,-0.002
VCC_HEATER on VCC "6V-VCC" (solid, pour order 414): 63.119,12.319 63.119,0.381 127,0.381 127,12.319
+BATT on VCC "+BATT_L03_P463" (solid, pour order 463): 47.373,55.118 47.369,0.635 63.373,0.635 63.373,55.118
VCC3V3 on 3V3 "VCC3V3_L04_P470" (solid, pour order 470): 0,55.118 0,0 127,0 127.127,0.127 127.127,55.118
GND on GND1 "VCC-GND" (solid, pour order 388): 0,0 127,0 127,54.991 127.127,55.118 126.873,55.372 0,55.372